# Altium PCB MB1397.PcbDoc (part 11 of 11)
Units mm, origin at the board's own origin, x right, y up, seen from the top; angles counter-clockwise.
Board outline 118.24 x 172.86 mm, 6 copper layers (Top Layer, L2_GND, L3_VCC, L4_SIG, L5_GND, Bottom Layer), stack 1.631 mm thick; 819 components, 632 nets, 2875 pads, 1523 vias.
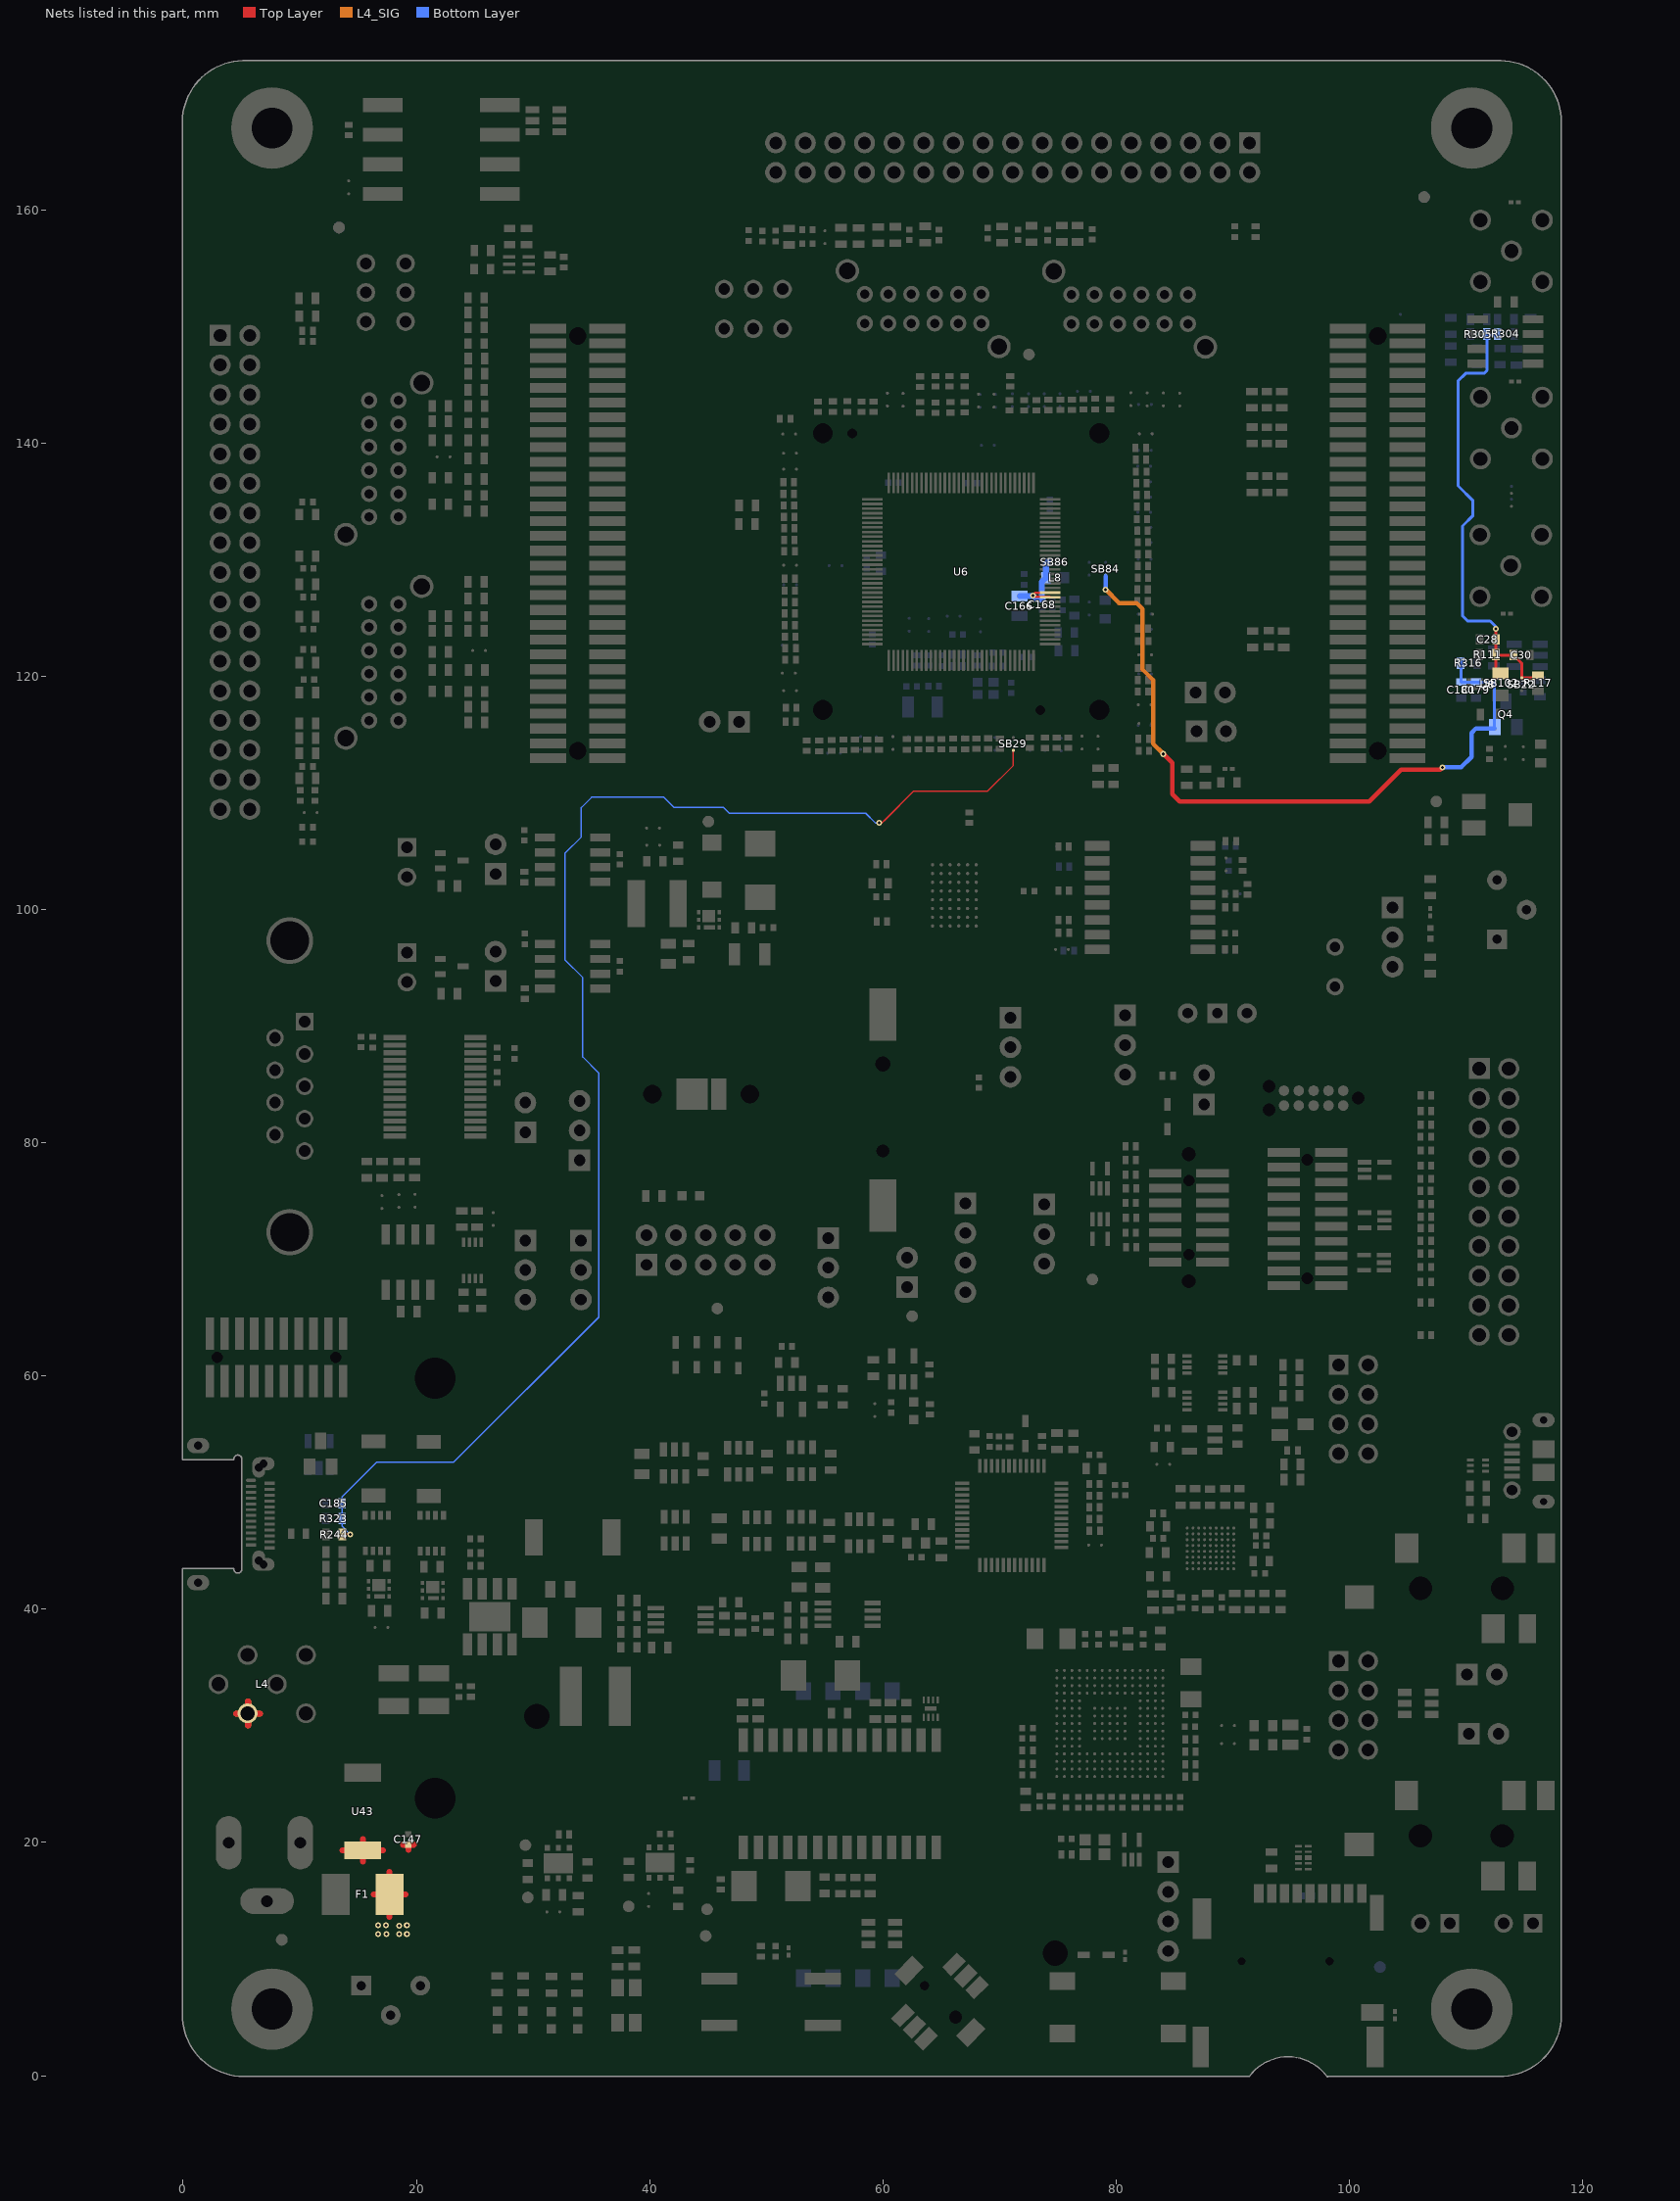
[diagram p15: the nets of this part, all layers, seen from the top]

## Via types
v1: diameter 0.508, hole 0.254, Top Layer to Bottom Layer, tented both sides, 1330 vias
v2: diameter 0.406, hole 0.203, Top Layer to Bottom Layer, tented both sides, 115 vias
v3: diameter 0.508, hole 0.254, Top Layer to Bottom Layer, 33 vias
v4: diameter 0.305, hole 0.152, Top Layer to Bottom Layer, tented both sides, 26 vias
v5: diameter 0.61, hole 0.305, Top Layer to Bottom Layer, tented both sides, 14 vias
v6: diameter 0.61, hole 0.33, Top Layer to Bottom Layer, tented both sides, 2 vias
v7: diameter 0.381, hole 0.203, Top Layer to Bottom Layer, tented both sides, 2 vias
v8: diameter 0.508, hole 0.203, Top Layer to Bottom Layer, tented both sides, 1 vias

## Nets (pads, with @x,y where several pads share a name; then routed paths per layer and width w, separated by ;. In a path a pad name is that pad's centre, name@x,y a point inside that pad or via, vN(x,y) a via of type N, cw(c..) or ccw(c..) an arc to the next point about the centre after c; other vN are vias at no path point) (continued)
VIN_EXT_UNFILT: C147.1 F1.2 L4.1 U43.1 | length 21.6
  Top Layer w0.508: 4.536,31.062 L4.1@5.565,31.062 ; 5.565,30.033 L4.1@5.565,31.062 ; 5.565,32.09 L4.1@5.565,31.062 ; 6.594,31.062 L4.1@5.565,31.062 ; 13.647,19.324 U43.1@15.397,19.324 ; 15.397,18.377 U43.1@15.397,19.324 ; 15.397,20.274 U43.1@15.397,19.324 ; 16.319,15.552 F1.2@17.697,15.554 ; 17.145,19.324 U43.1@15.397,19.324 ; 17.696,13.625 F1.2@17.697,15.554 ; 17.696,17.48 F1.2@17.697,15.554 ; 18.844,19.812 C147.1@19.304,19.813 ; 19.075,15.552 F1.2@17.697,15.554 ; 19.304,19.378 C147.1@19.304,19.813 ; 19.761,19.812 C147.1@19.304,19.813
  L4_SIG w0.508: 4.536,31.062 L4.1@5.565,31.062 ; 5.565,30.033 L4.1@5.565,31.062 ; 5.565,32.09 L4.1@5.565,31.062 ; 6.594,31.062 L4.1@5.565,31.062
  other v1: 16.711,12.164 17.422,12.164 18.539,12.164 19.174,12.164 18.539,12.875 16.711,12.901 17.396,12.901 19.174,12.901
VREF: C166.2 C168.2 L8.2 SB86.2 U6.43 U6.44 | length 7.9
  Top Layer w0.203: U6.44@73.609,127.165 73.073,127.165 72.87,126.962 v1(72.87,126.921) 72.969,126.822 74.266,126.822 U6.43@74.323,126.766
  Bottom Layer w0.508: C166.2@71.727,126.881 72.829,126.881 v1(72.87,126.921) 73.182,126.609 73.632,126.609 73.632,128.1 73.977,128.445 73.977,129.644 SB86.2@74.176,129.842
VREF_BIAS: C28.2 C30.2 R111.1 R117.2 R304.1 R305.1 SB22.1 U8.2 | length 41.7
  Top Layer w0.254: v1(112.558,124.076) R111.1@112.558,121.816 ; U8.2@112.959,120.251 U8.2@112.55,120.66 ; C30.2@114.071,121.808 C30.2@114.069,121.808 ; R117.2@116.176,120.107 115.926,119.855 SB22.1@114.77,119.857 114.77,121.107 C30.2@114.069,121.808 ; U8.2@112.55,120.66 R111.1@112.55,121.808 ; U8.2@112.55,120.66 112.547,120.66 112.547,121.808 112.549,121.809 R111.1@112.558,121.816 ; R111.1@112.55,121.808 R111.1@112.558,121.816 ; R111.1@112.55,121.808 C30.2@114.057,121.808 C30.2@114.069,121.808
  Bottom Layer w0.254: v1(112.558,124.076) 112.558,124.242 112.062,124.737 110.132,124.737 109.7,125.169 109.7,132.89 110.589,133.779 110.589,135.049 109.319,136.319 109.319,145.336 109.954,145.971 111.544,145.971 111.798,146.225 111.798,149.273 R304.1@112.682,149.273
VREF_EXT: C179.2 C180.2 Q4.2 R316.2 SB84.1 SB102.1 | length 62.2
  Top Layer w0.381: v1(84.046,113.332) 84.808,112.57 84.808,109.903 85.443,109.268 101.699,109.268 104.43,111.999 107.782,111.999 v1(107.973,112.189)
  L4_SIG w0.381: v1(79.096,127.429) 80.239,126.286 81.76,126.286 82.268,125.778 82.268,120.571 83.157,119.682 83.157,114.221 v1(84.046,113.332)
  Bottom Layer w0.254: R316.2@109.634,121.206 109.573,121.143 109.573,119.494 112.438,119.494 112.433,119.489 Q4.2@112.433,115.534
  Bottom Layer w0.381: SB84.1@79.093,128.58 79.096,128.58 v1(79.096,127.429) ; v1(107.973,112.189) 109.573,112.189 110.462,113.078 110.462,115.153 110.843,115.534 Q4.2@112.433,115.534
VSENSE: C185.2 R244.1 R323.2 SB29.1 | length 119.7
  Top Layer w0.127: R244.1@13.652,46.421 v1(14.323,46.421) ; v1(59.662,107.427) 59.911,107.427 60.198,107.713 62.641,110.157 68.984,110.157 71.178,112.352 SB29.1@71.179,113.652
  Bottom Layer w0.127: v1(14.323,46.421) 13.625,47.12 13.625,49.642 16.609,52.626 23.213,52.626 35.634,65.047 35.634,85.976 34.262,87.348 34.262,94.155 32.738,95.679 32.738,104.823 34.138,106.223 34.138,108.737 35.024,109.624 41.222,109.624 42.108,108.737 46.35,108.737 46.835,108.252 58.519,108.252 59.345,107.427 v1(59.662,107.427)
pads on no net: B1.NPTH1 B1.NPTH2 CN1.2 CN1.6 CN5.NPTH1 CN5.NPTH2 CN6.NPTH1 CN6.NPTH2 CN11.1 CN11.7 CN13.NPTH1 CN13.NPTH2 CN15.7 CN15.11 CN15.12 CN15.13 CN16.0 CN16.1 CN16.2 CN16.9 CN17.0 CN17.7 CN19.0 CN20.4 CN20.5 CN20.6 CN21.4 CN22.PTH1 CN22.PTH2 CN22.PTH3 CN22.PTH4 CN22.PTH5 CN22.PTH6 CN23.2 CN23.5 CN23.7 CN23.MT1 CN23.MT2 CN26.2 CN26.5 CN26.7 CN26.MT1 CN26.MT2 CN28.1 CN28.8 CN28.NPTH1 CN28.NPTH2 CN31.C6 CN31.NPTH1 CN31.NPTH2 H3.1 H4.1 LPB1.NPTH1 LPB1.NPTH2 SW2.10 SW2.11 SW2.12 SW2.PTH1 SW2.PTH2 SW3.10 SW3.11 SW3.12 SW3.PTH1 SW3.PTH2 SW5.10 SW5.11 SW5.12 SW5.PTH1 SW5.PTH2 SW6.10 SW6.11 SW6.12 SW6.PTH1 SW6.PTH2 U1.5 U6.NPTH1 U6.NPTH2 U6.NPTH3 U6.NPTH4 U6.NPTH5 U6.NPTH6 U11.E3 U12.3 U12.11 U17.4 U17.8 U17.9 U17.11 U17.12 U17.14 U17.15 U17.18 U17.19 U17.21 U20.5 U26.6 U31.4 U32.10 U32.12 U32.13 U32.27 U32.38 U35.A6 U35.A8 U35.A9 U35.B4 U35.B5 U35.B8 U35.B9 U35.C4 U35.C5 U35.C6 U35.C7 U35.C8 U35.E1 U35.E5 U35.F4 U35.F5 U35.F6 U35.F8 U35.F9 U35.G4 U35.H2 U35.H3 U35.H4 U35.H5 U37.5 U40.A1 U40.A2 U40.A3 U40.A4 U40.A5 U40.A6 U40.A8 U40.A9 U40.A10 U40.A11 U40.A12 U40.A13 U40.B1 U40.B2 U40.B3 U40.B4 U40.B5 U40.B6 U40.B7 U40.B8 U40.B9 U40.B10 U40.B11 U40.B12 U40.B13 U40.B14 U40.B15 U40.C2 U40.C3 U40.C4 U40.C11 U40.C12 U40.C13 U40.C14 U40.C15 U40.D1 U40.D2 U40.D3 U40.D4 U40.D10 U40.D11 U40.D13 U40.D14 U40.E1 U40.E2 U40.E3 U40.E4 U40.E12 U40.E13 U40.E14 U40.E15 U40.F1 U40.F4 U40.F14 U40.G4 U40.G14 U40.G15 U40.H1 U40.H2 U40.H3 U40.H4 U40.H14 U40.H15 U40.J2 U40.J3 U40.J4 U40.K1 U40.K2 U40.K3 U40.K12 U40.K14 U40.K15 U40.L1 U40.L3 U40.L12 U40.L13 U40.L14 U40.L15 U40.M2 U40.M3 U40.M4 U40.M5 U40.M6 U40.M7 U40.M12 U40.M13 U40.M14 U40.M15 U40.N2 U40.N4 U40.N5 U40.N6 U40.N7 U40.N11 U40.N13 U40.N14 U40.N15 U40.P2 U40.P4 U40.P5 U40.P6 U40.P7 U40.P8 U40.P9 U40.P10 U40.P11 U40.P12 U40.P13 U40.P14 U40.P15 U40.R2 U40.R3 U40.R6 U40.R7 U40.R8 U40.R9 U40.R10 U40.R11 U40.R12 U40.R13 U42.10 U42.25 U45.4 U45.5 U47.3 U53.1 U53.2 U54.3 U54.4 U54.5 U54.6 U54.11 U54.12 U54.13 U54.14 U55.5 X2.2 X2.4
copper on no net:
  other v1: 9.751,51.864 9.243,53.896

## Polygon pours and split planes (outlines as drawn)
GND on Top Layer "L4_SIG-No Net" (solid, pour order 261): 25 vertices, not listed, extent 23.467,36.703 32.004,49.2
GND_EXT_UNFILT on Top Layer "TOP-GND_EXT_UNFILT" (solid, pour order 215): 17 vertices, not listed, extent 8.862,20.368 19.756,32.433
NetLD5_2 on Top Layer "L4_SIG-No Net" (solid, pour order 256): 38.875,89.637 38.215,88.976 38.215,79.591 39.04,78.765 44.348,78.765 44.968,79.385 44.968,89.118 44.45,89.637
AGND on Top Layer "L4_SIG-No Net" (solid, pour order 264): 79.395,111.115 81.923,111.115 82.166,110.871 82.166,109.774 81.945,109.553 79.582,109.553 79.231,109.904 79.231,110.92 79.334,111.023
5V_USB_CHGR on Top Layer "TOP-5V_USB_CHGR" (solid, pour order 226): 26 vertices, not listed, extent 46.835,60.627 61.44,65.453
NetC63_2 on Top Layer "TOP-NETC77_1" (solid, pour order 232): 17 vertices, not listed, extent 41.374,58.989 51.534,63.421
5V_USB_PD on Top Layer "TOP-5V_USB_PD" (solid, pour order 219): 32.865,64.437 42.771,64.437 43.025,64.183 43.025,62.278 42.771,62.024 33.119,62.024 23.868,52.774 14.709,52.774 14.315,53.167 14.315,55.166 14.732,55.583 24.011,55.583 32.865,64.437
GND on Top Layer "TOP-GND 1" (solid, pour order 212): 52.036,59.492 51.915,59.613 51.915,60.582 51.915,61.727 51.915,62.128 51.915,62.944 51.915,63.167 52.169,63.421 53.312,63.421 53.566,63.167 53.566,60.819
NetC71_2 on Top Layer "Top Layer-NetC71_2" (solid, pour order 208): 21 vertices, not listed, extent 49,56.055 51.599,57.905
3V3_STLK on Top Layer "TOP-3V3_STLK" (solid, pour order 224): 17 vertices, not listed, extent 52.296,55.928 57.757,57.96
5V on Top Layer "TOP-5V 2" (solid, pour order 230): 618 vertices, not listed, extent 37.818,71.041 51.534,76.883
5V on Top Layer "TOP-5V 1" (solid, pour order 229): 53 vertices, not listed, extent 41.563,15.542 44.676,17.955
SH1_D on Top Layer "TOP-SH1_D" (solid, pour order 202): 25 vertices, not listed, extent 44.93,47.292 47.978,55.166
NetC151_2 on Top Layer "TOP-NETC34_2" (solid, pour order 209): 95 vertices, not listed, extent 27.912,13.129 31.468,17.32
NetC149_2 on Top Layer "TOP-NETC29_2" (solid, pour order 210): 156 vertices, not listed, extent 37.183,15.542 41.247,17.32
AMP_VDD on Top Layer "TOP-AMP_VDD" (solid, pour order 217): 30 vertices, not listed, extent 39.723,39.926 46.708,49.07
AMP_5V on Top Layer "TOP-AMP_5V" (solid, pour order 218): 18 vertices, not listed, extent 56.106,44.066 58.392,48.892
VIN_EXT_UNFILT on Top Layer "TOP-VIN_EXT_UNFILT" (solid, pour order 220): 28 vertices, not listed, extent 2.639,11.834 20.292,32.56
VIN_EXT_CONN on Top Layer "TOP-VIN_EXT_CONN" (solid, pour order 221): 17 vertices, not listed, extent 7.719,11.478 14.958,23.035
1V8_LDO on Top Layer "TOP-1V8_LDO" (solid, pour order 222): 89 vertices, not listed, extent 84.3,51.737 87.221,54.912
1V8 on Top Layer "TOP-1V8" (solid, pour order 223): 64 vertices, not listed, extent 82.141,50.34 83.919,53.134
5V_USB_CHGR on Top Layer "TOP-5V_USB_CHGR 1" (solid, pour order 227): 22 vertices, not listed, extent 111.224,46.784 112.875,51.483
VIN_EXT on Top Layer "TOP-VIN_EXT" (solid, pour order 235): 35 vertices, not listed, extent 4.036,33.195 26.132,39.164
GND on Top Layer "TOP-GND" (solid, pour order 211): 21 vertices, not listed, extent 47.662,94.104 51.661,102.791
3V3 on Top Layer "TOP-3V3" (solid, pour order 225): 77 vertices, not listed, extent 36.802,12.748 41.374,15.669
5V on Top Layer "TOP-5V" (solid, pour order 228): 48 vertices, not listed, extent 1.115,97.965 36.548,103.045
GND on Top Layer "TOP-GND 3" (solid, pour order 214): 15.847,29.258 15.466,29.639 15.466,32.052 15.847,32.433 16.655,32.433 19.51,32.433 20.511,32.433 22.939,32.433 23.32,32.814 24.077,32.814 24.892,32.814 25.654,32.814 25.654,30.81 24.102,29.258
GND on Top Layer "TOP-GND 2" (solid, pour order 213): 19 vertices, not listed, extent 16.863,39.291 19.022,41.247
SH0_D on Top Layer "TOP-SH0_D" (solid, pour order 203): 21 vertices, not listed, extent 38.326,50.086 42.517,54.912
T50_6 on Top Layer "TOP-T50_6" (solid, pour order 200): 49 vertices, not listed, extent 44.93,40.307 56.106,49.197
SH2_D on Top Layer "TOP-SH2_D" (solid, pour order 201): 22 vertices, not listed, extent 51.026,43.228 53.947,49.197
NetL5_1 on Top Layer "L4_SIG-No Net" (solid, pour order 260): 17 vertices, not listed, extent 26.67,29.134 34.722,35.692
CAL_D on Top Layer "TOP-CAL_D" (solid, pour order 216): 65 vertices, not listed, extent 48.232,46.657 54.709,55.547
NetR249_1 on Top Layer "TOP-NETR324_1" (solid, pour order 204): 23 vertices, not listed, extent 19.784,41.406 22.959,44.123
NetR246_1 on Top Layer "TOP-NETR318_1" (solid, remove dead copper, pour order 205): 23 vertices, not listed, extent 13.307,39.799 17.922,45.514
NetC41_1 on Top Layer "TOP-NETC22_2" (solid, pour order 231): 40.993,103.172 40.739,103.426 40.739,103.576 41.59,103.576 41.59,104.696 43.406,104.696 43.787,105.077 43.787,107.744 44.676,108.633 51.153,108.633 51.415,108.372 51.415,104.235 51.114,103.934 44.422,103.934 43.66,103.172
NetD1_1 on Top Layer "Top Layer-NetD1_1" (solid, pour order 233): 41.501,97.965 41.247,98.219 41.247,102.791 43.818,102.791 43.945,102.918 46.454,102.918 46.611,102.762 46.611,99.519 46.611,99.265 46.2,98.854 43.914,98.854 43.66,98.6 43.66,98.219 43.406,97.965
NetR172_1 on Top Layer "TOP-NETR48_1" (solid, pour order 234): 30 vertices, not listed, extent 44.676,94.513 48.232,99.362
VBUS on Top Layer "TOP-VBUS" (solid, remove dead copper, pour order 199): 32 vertices, not listed, extent 10.97,39.418 18.26,50.975
NetQ2_1 on Top Layer "TOP-NETQ2_1 1" (solid, pour order 207): 14.958,43.101 14.755,43.304 14.755,45.184 14.958,45.387 17.117,45.387 17.117,44.625 16.961,44.469 15.591,44.457 15.591,43.101
NetQ2_1 on Top Layer "TOP-NETQ2_1" (solid, pour order 206): 18.982,44.069 18.885,44.166 18.885,45.263 19.012,45.39 21.806,45.39 21.806,44.628 21.679,44.501 21.328,44.501 19.743,44.501 19.312,44.069
5V_EXT on Top Layer "L4_SIG-No Net" (solid, pour order 262): 40 vertices, not listed, extent 19.276,29.261 39.219,54.509
NetLD5_2 on Bottom Layer "Bottom Layer-NetLD5_2" (solid, pour order 257): 38.875,89.637 44.45,89.637 44.968,89.118 44.968,79.385 44.348,78.765 39.04,78.765 38.215,79.591 38.215,88.964 38.532,89.281
VDD on Bottom Layer "BOTTOM-VDD" (solid, pour order 236): 149 vertices, not listed, extent 83.03,60.754 106.906,64.564
VDD1 on Bottom Layer "BOTTOM-VDD1" (solid, pour order 237): 136 vertices, not listed, extent 62.329,42.466 74.775,53.642
NetQ2_1 on Bottom Layer "BOTTOM-NETQ2_1" (solid, pour order 238): 19.657,45.26 19.657,44.244 19.53,44.117 16.482,44.117 16.101,43.736 16.101,43.228 15.974,43.101 14.958,43.101 14.755,43.304 14.755,45.184 14.958,45.387 19.53,45.387 19.657,45.26
GND_EXT_UNFILT on Bottom Layer "BOTTOM-GND_EXT_UNFILT" (solid, pour order 239): 26 vertices, not listed, extent 0.734,13.002 17.879,32.433
AGND on L4_SIG "L4_SIG-No Net" (solid, pour order 265): 21 vertices, not listed, extent 76.022,109.964 82.549,123.977
VDD1 on L4_SIG "L4_SIG-VDD1" (solid, pour order 240): 185 vertices, not listed, extent 51.407,41.323 66.012,67.739
3V3 on L4_SIG "L4_SIG-3V3" (solid, pour order 243): 442 vertices, not listed, extent 36.675,8.303 97.254,17.447
5V_EXT on L4_SIG "L4_SIG-No Net" (solid, pour order 263): 30.071,52.603 33.779,52.603 48.74,67.564 48.74,70.423 48.28,70.884 46.419,70.884 46.025,70.49 46.025,68.044 32.593,54.612 29.545,54.612 29.21,54.277 29.21,52.924 29.531,52.603 29.591,52.59
VIN_EXT_CONN on L4_SIG "L4_SIG-VIN_EXT_CONN" (solid, pour order 242): 14.78,11.478 10.792,11.478 10.361,11.91 10.361,15.847 7.719,18.489 7.719,22.019 8.735,23.035 10.386,23.035 12.545,20.876 12.545,18.336 13.18,17.701 14.704,17.701 14.958,17.447 14.958,11.656 14.78,11.478
VIN_EXT_UNFILT on L4_SIG "L4_SIG-VIN_EXT_UNFILT" (solid, pour order 241): 23 vertices, not listed, extent 2.639,11.834 20.292,32.56
VIN_EXT on L4_SIG "L4_SIG-VIN_EXT" (solid, pour order 244): 32 vertices, not listed, extent 4.036,33.195 23.391,39.164
1V8 on L4_SIG "L4_SIG-No Net" (solid, pour order 255): 19 vertices, not listed, extent 82.296,40.856 93.525,53.008
5V on L3_VCC "L3_VCC-5V 1" (solid, remove dead copper, pour order 253): 72 vertices, not listed, extent 0.445,100.633 117.666,172.274
VBUS on L3_VCC "L3_VCC-VBUS" (solid, remove dead copper, pour order 248): 0.445,39.419 0.445,65.913 11.227,65.913 13.435,63.705 13.435,40.031 12.822,39.419
5V on L3_VCC "L3_VCC-5V" (solid, remove dead copper, pour order 252): 42 vertices, not listed, extent 33.501,8.431 92.429,114.095
VDD on L3_VCC "L3_VCC-VDD" (solid, remove dead copper, pour order 246): 58 vertices, not listed, extent 42.645,27.735 94.207,78.535
3V3_STLK on L3_VCC "L3_VCC-3V3_STLK" (solid, pour order 249): 22 vertices, not listed, extent 54.583,17.018 86.587,61.009
3V3 on L3_VCC "L3_VCC-3V3" (solid, pour order 250): 48 vertices, not listed, extent 72.871,11.733 103.859,86.663
3V3 on L3_VCC "L3_VCC-3V3" (solid, remove dead copper, pour order 251): 53 vertices, not listed, extent 0.445,0.446 111.479,164.387
VDD on L3_VCC "L3_VCC-VDD" (solid, pour order 245): 117 vertices, not listed, extent 20.801,0.446 117.666,157.275
VDD_MCU on L3_VCC "L3_VCC-VDD_MCU" (solid, remove dead copper, pour order 247): 25 vertices, not listed, extent 52.297,67.867 86.587,138.162
AGND on L2_GND "L2_GND-AGND" (solid, pour order 259): 37 vertices, not listed, extent 76.68,107.076 117.665,161.107
GND_EXT_UNFILT on L2_GND "L2_GND-GND" (solid, remove dead copper, pour order 267): 25 vertices, not listed, extent 0.445,12.967 17.819,32.346
GND on L2_GND "L2_GND-GND" (solid, remove dead copper, pour order 266): 132 vertices, not listed, extent 0.445,0.445 117.666,172.273
GND_EXT_UNFILT on L5_GND "L5_GND-GND" (solid, remove dead copper, pour order 268): 23 vertices, not listed, extent 0.444,13.005 17.836,32.346
AGND on L5_GND "L5_GND-AGND" (solid, pour order 254): 108.92,114.475 108.92,135.237 108.097,136.06 108.097,158.852 110.353,161.107 117.665,161.107 117.665,113.713 109.682,113.713 108.92,114.475
GND on L5_GND "L5_GND-GND" (solid, remove dead copper, pour order 269): 99 vertices, not listed, extent 0.452,0.42 117.673,172.249
no net on Top Solder "L4_SIG-No Net" (solid): 38.875,89.637 44.45,89.637 44.968,89.118 44.968,79.385 44.348,78.765 39.04,78.765 38.215,79.591 38.215,88.976
no net on Bottom Solder "L4_SIG-No Net" (solid): 38.875,89.637 44.45,89.637 44.968,89.118 44.968,79.385 44.348,78.765 39.04,78.765 38.215,79.591 38.215,88.976
no net on Top Overlay (solid): 103.025,168.605 ccw(c102.567,168.605) 102.567,169.063 ccw(c102.567,168.605) 102.109,168.605 ccw(c102.567,168.605) 102.567,168.147 ccw(c102.567,168.605) 103.025,168.605
no net on Top Overlay (solid): 102.707,164.287 ccw(c102.059,164.287) 102.059,164.935 ccw(c102.059,164.287) 101.411,164.287 ccw(c102.059,164.287) 102.059,163.64 ccw(c102.059,164.287) 102.707,164.287
no net on Top Overlay (solid): 99.392,168.605 99.392,169.24 99.646,169.24 99.646,168.605 99.392,168.605
no net on Top Overlay (solid): 100.154,167.208 100.154,166.7 101.678,166.7 101.678,167.208 100.154,167.208
no net on Top Overlay (solid): 99.519,163.716 99.773,163.716 99.773,164.16 99.519,164.16 99.519,163.716
no net on Top Overlay (solid): 103.025,168.605 ccw(c102.567,168.605) 102.567,169.063 ccw(c102.567,168.605) 102.109,168.605 ccw(c102.567,168.605) 102.567,168.147 ccw(c102.567,168.605) 103.025,168.605
no net on Top Overlay (solid): 102.707,164.287 ccw(c102.059,164.287) 102.059,164.935 ccw(c102.059,164.287) 101.411,164.287 ccw(c102.059,164.287) 102.059,163.64 ccw(c102.059,164.287) 102.707,164.287
no net on Top Overlay (solid): 99.392,168.605 99.392,169.24 99.646,169.24 99.646,168.605 99.392,168.605
no net on Top Overlay (solid): 100.154,167.208 100.154,166.7 101.678,166.7 101.678,167.208 100.154,167.208
no net on Top Overlay (solid): 99.519,163.716 99.773,163.716 99.773,164.16 99.519,164.16 99.519,163.716
no net on Top Overlay (solid): 457 vertices, not listed, extent 69.214,77.689 75.841,83.176
no net on Top Overlay (solid): 227 vertices, not listed, extent 72.022,78.87 74.874,81.995
no net on Top Overlay (solid): 457 vertices, not listed, extent 69.214,77.689 75.841,83.176
no net on Top Overlay (solid): 227 vertices, not listed, extent 72.022,78.87 74.874,81.995


## Text inside footprints (layer, text, board x,y; h text height)
T3: Top Overlay "1" at 45.935,50.755 h1.5; M14-Top Assembly "4" at 48.405,53.615 h0.75; M14-Top Assembly "5" at 47.475,53.63 h0.75; M14-Top Assembly "6" at 46.525,53.63 h0.75; M14-Top Assembly "1" at 46.575,51.28 h0.75; M14-Top Assembly "3" at 48.405,51.275 h0.75; M14-Top Assembly "2" at 47.475,51.28 h0.75
T4: Top Overlay "1" at 40.436,50.589 h1.5; M14-Top Assembly "4" at 42.906,53.449 h0.75; M14-Top Assembly "5" at 41.976,53.464 h0.75; M14-Top Assembly "6" at 41.026,53.464 h0.75; M14-Top Assembly "1" at 41.076,51.114 h0.75; M14-Top Assembly "3" at 42.906,51.109 h0.75; M14-Top Assembly "2" at 41.976,51.114 h0.75
T5: Top Overlay "1" at 40.494,44.83 h1.5; M14-Top Assembly "4" at 42.964,47.69 h0.75; M14-Top Assembly "5" at 42.034,47.705 h0.75; M14-Top Assembly "6" at 41.084,47.705 h0.75; M14-Top Assembly "1" at 41.134,45.355 h0.75; M14-Top Assembly "3" at 42.964,45.35 h0.75; M14-Top Assembly "2" at 42.034,45.355 h0.75
T6: Top Overlay "1" at 51.317,44.827 h1.5; M14-Top Assembly "4" at 53.787,47.687 h0.75; M14-Top Assembly "5" at 52.857,47.702 h0.75; M14-Top Assembly "6" at 51.907,47.702 h0.75; M14-Top Assembly "1" at 51.957,45.352 h0.75; M14-Top Assembly "3" at 53.787,45.347 h0.75; M14-Top Assembly "2" at 52.857,45.352 h0.75
T7: Top Overlay "1" at 47.51,44.785 h1.5; M14-Top Assembly "4" at 49.98,47.645 h0.75; M14-Top Assembly "5" at 49.05,47.66 h0.75; M14-Top Assembly "6" at 48.1,47.66 h0.75; M14-Top Assembly "1" at 48.15,45.31 h0.75; M14-Top Assembly "3" at 49.98,45.305 h0.75; M14-Top Assembly "2" at 49.05,45.31 h0.75
T8: Top Overlay "1" at 56.311,44.609 h1.5; M14-Top Assembly "4" at 58.781,47.469 h0.75; M14-Top Assembly "5" at 57.851,47.484 h0.75; M14-Top Assembly "6" at 56.901,47.484 h0.75; M14-Top Assembly "1" at 56.951,45.134 h0.75; M14-Top Assembly "3" at 58.781,45.129 h0.75; M14-Top Assembly "2" at 57.851,45.134 h0.75
T9: M14-Top Assembly "1" at 15.764,42.458 h0.4 r270; M14-Top Assembly "2" at 15.764,41.833 h0.4 r270; M14-Top Assembly "3" at 15.764,41.183 h0.4 r270; M14-Top Assembly "7" at 16.714,41.183 h0.4 r270; M14-Top Assembly "4" at 17.564,41.208 h0.4 r270; M14-Top Assembly "5" at 17.564,41.858 h0.4 r270; M14-Top Assembly "6" at 17.564,42.508 h0.4 r270; M14-Top Assembly "8" at 16.639,42.133 h0.4 r270
T10: M14-Top Assembly "1" at 20.383,42.313 h0.4 r270; M14-Top Assembly "2" at 20.383,41.688 h0.4 r270; M14-Top Assembly "3" at 20.383,41.038 h0.4 r270; M14-Top Assembly "7" at 21.333,41.038 h0.4 r270; M14-Top Assembly "4" at 22.183,41.063 h0.4 r270; M14-Top Assembly "5" at 22.183,41.713 h0.4 r270; M14-Top Assembly "6" at 22.183,42.363 h0.4 r270; M14-Top Assembly "8" at 21.258,41.988 h0.4 r270
U1: Top Overlay "1" at 33.047,165.872 h1.5 r90; M14-Top Assembly "2" at 32.522,167.477 h0.75 r90; M14-Top Assembly "3" at 32.527,168.407 h0.75 r90; M14-Top Assembly "1" at 32.522,166.577 h0.75 r90; M14-Top Assembly "6" at 30.172,166.527 h0.75 r90; M14-Top Assembly "5" at 30.172,167.477 h0.75 r90; M14-Top Assembly "4" at 30.187,168.407 h0.75 r90
U2: M14-Top Assembly "K" at 113.598,160.505 h0.45
U3: M14-Top Assembly "6" at 29.307,156.096 h0.6 r270; M14-Top Assembly "5" at 29.307,155.446 h0.6 r270; M14-Top Assembly "4" at 29.307,154.796 h0.6 r270; M14-Top Assembly "3" at 27.882,154.796 h0.6 r270; M14-Top Assembly "2" at 27.882,155.446 h0.6 r270; M14-Top Assembly "1" at 27.882,156.046 h0.6 r270
U4: Top Overlay "1" at 116.713,146.177 h0.64; M14-Top Assembly "1" at 116.435,146.602 h1.5 r90; M14-Top Assembly "4" at 116.46,150.277 h1.5 r90; M14-Top Assembly "5" at 111.26,150.302 h1.5 r90; M14-Top Assembly "8" at 111.235,146.477 h1.5 r90
U5: M14-Top Assembly "K" at 113.62,145.138 h0.45
U6: Top Overlay "1" at 60.09,120.523 h0.64; Top Overlay "1" at 59.639,115.265 h0.64; M14-Top Assembly "1" at 60.828,121.466 h1 r90; M14-Top Assembly "128" at 59.428,122.091 h1 r90; M14-Top Assembly "32" at 73.228,120.816 h1 r90; M14-Top Assembly "33" at 74.603,122.291 h1 r90; M14-Top Assembly "64" at 74.603,134.716 h1 r90; M14-Top Assembly "65" at 73.228,136.216 h1 r90; M14-Top Assembly "96" at 60.828,136.216 h1 r90; M14-Top Assembly "97" at 59.453,134.716 h1 r90
U7: M14-Top Assembly "K" at 114.078,125.499 h0.45 r180
U9: M14-Top Assembly "K" at 89.059,111.892 h0.45
U10: Top Overlay "1" at 36.449,101.239 h1.5 r90; M14-Top Assembly "1" at 36.461,102.166 h1.5 r90; M14-Top Assembly "4" at 36.486,105.841 h1.5 r90; M14-Top Assembly "5" at 31.286,105.866 h1.5 r90; M14-Top Assembly "8" at 31.261,102.041 h1.5 r90
U11: Top Overlay "A1" at 68.298,97.663 h0.64; M14-Top Assembly "A1" at 68.249,98.735 h0.5 r180
U12: Top Overlay "1" at 88.254,95.664 h1.5 r90; M14-Top Assembly "1" at 88.229,96.364 h1.5 r90; M14-Top Assembly "8" at 88.204,105.139 h1.5 r90; M14-Top Assembly "9" at 78.554,105.139 h1.5 r90; M14-Top Assembly "16" at 78.554,95.939 h1.5 r90
U13: Top Overlay "1" at 22.108,105.343 h0.64 r90; M14-Top Assembly "3" at 23.724,104.335 h0.75 r270; M14-Top Assembly "2" at 21.849,103.685 h0.75 r270; M14-Top Assembly "1" at 21.849,104.935 h0.75 r270
U14: M14-Top Assembly "K" at 107.084,99.197 h0.45 r90
U15: Top Overlay "1" at 36.536,92.399 h1.5 r90; M14-Top Assembly "1" at 36.461,93.024 h1.5 r90; M14-Top Assembly "4" at 36.486,96.699 h1.5 r90; M14-Top Assembly "5" at 31.286,96.724 h1.5 r90; M14-Top Assembly "8" at 31.261,92.899 h1.5 r90
U16: Top Overlay "1" at 21.473,96.424 h1.2 r270; M14-Top Assembly "3" at 23.723,95.274 h0.75 r270; M14-Top Assembly "2" at 21.848,94.624 h0.75 r270; M14-Top Assembly "1" at 21.848,95.874 h0.75 r270
U17: Top Overlay "1" at 17.54,89.788 h1.5 r270; M14-Top Assembly "1" at 17.952,89.15 h1 r270; M14-Top Assembly "14" at 17.84,80.963 h1 r270; M14-Top Assembly "15" at 24.577,81.025 h1 r270; M14-Top Assembly "28" at 24.577,89.476 h1 r270
U22: Top Overlay "1" at 16.547,66.616 h1.5; M14-Top Assembly "1" at 17.172,66.691 h1.5; M14-Top Assembly "4" at 20.847,66.666 h1.5; M14-Top Assembly "5" at 20.872,71.866 h1.5; M14-Top Assembly "8" at 17.047,71.891 h1.5
U23: Top Overlay "1" at 26.113,71.247 h0.64; M14-Top Assembly "5" at 24.201,68.622 h0.75 r180; M14-Top Assembly "8" at 25.701,68.622 h0.75 r180; M14-Top Assembly "4" at 24.226,71.722 h0.75 r180; M14-Top Assembly "1" at 25.676,71.722 h0.75 r180
U25: Top Overlay "1" at 59.978,58.581 h1.5
U26: Top Overlay "1" at 85.451,62.31 h1.3 r270; M14-Top Assembly "5" at 88.901,60.385 h0.75 r270; M14-Top Assembly "8" at 88.901,61.885 h0.75 r270; M14-Top Assembly "4" at 85.801,60.41 h0.75 r270; M14-Top Assembly "1" at 85.801,61.86 h0.75 r270
U27: Top Overlay "1" at 53.879,60.302 h1.5 r180
U28: Top Overlay "1" at 85.452,59.191 h1.3 r270; M14-Top Assembly "5" at 88.902,57.266 h0.75 r270; M14-Top Assembly "8" at 88.902,58.766 h0.75 r270; M14-Top Assembly "4" at 85.802,57.291 h0.75 r270; M14-Top Assembly "1" at 85.802,58.741 h0.75 r270
U29: Top Overlay "1" at 89.357,53.391 h0.89
U31: Top Overlay "1" at 109.904,53.616 h1.3 r270; M14-Top Assembly "1" at 110.254,52.891 h0.5 r270; M14-Top Assembly "2" at 110.254,52.416 h0.5 r270; M14-Top Assembly "3" at 110.254,51.916 h0.5 r270; M14-Top Assembly "4" at 111.437,51.926 h0.5 r270; M14-Top Assembly "5" at 111.429,52.416 h0.5 r270; M14-Top Assembly "6" at 111.429,52.916 h0.5 r270
U32: Top Overlay "1" at 74.457,52.792 h1.5 r180; M14-Top Assembly "1" at 74.382,52.692 h1.5 r180
U33: Top Overlay "K" at 37.826,43.837 h0.64 r180; Top Overlay "K" at 37.826,49.337 h0.64 r180; M14-Top Assembly "K" at 37.426,49.162 h1.5 r180; M14-Top Assembly "K" at 37.426,44.112 h1.5 r180
U34: M14-Top Assembly "2" at 110.702,48.278 h0.75 r180; M14-Top Assembly "1" at 111.852,48.253 h0.75 r180
U36: M14-Top Assembly "K" at 9.106,46.157 h1
U37: M14-Top Assembly "9" at 26.064,39.486 h0.75 r270; M14-Top Assembly "8" at 27.964,36.986 h0.75 r270; M14-Top Assembly "5" at 24.139,36.986 h0.75 r270; M14-Top Assembly "4" at 24.139,42.086 h0.75 r270; M14-Top Assembly "1" at 27.939,41.911 h0.75 r270
U38: Top Overlay "1" at 58.648,38.265 h1.5 r270; M14-Top Assembly "1" at 58.623,38.69 h1 r270; M14-Top Assembly "4" at 58.623,40.74 h1 r270; M14-Top Assembly "5" at 54.673,40.765 h1 r270; M14-Top Assembly "8" at 54.673,38.79 h1 r270
U39: Top Overlay "1" at 40.98,40.415 h1.5 r90; M14-Top Assembly "1" at 41.005,39.99 h1 r90; M14-Top Assembly "4" at 41.005,37.94 h1 r90; M14-Top Assembly "5" at 44.955,37.915 h1 r90; M14-Top Assembly "8" at 44.955,39.89 h1 r90
U40: M14-Top Assembly "A1" at 75.055,25.303 h0.75 r90
U41: Top Overlay "1" at 104.267,33.576 h0.64 r270; M14-Top Assembly "2" at 104.465,32.075 h0.75 r270; M14-Top Assembly "3" at 104.46,31.145 h0.75 r270; M14-Top Assembly "1" at 104.465,32.975 h0.75 r270; M14-Top Assembly "6" at 106.815,33.025 h0.75 r270; M14-Top Assembly "5" at 106.815,32.075 h0.75 r270; M14-Top Assembly "4" at 106.8,31.145 h0.75 r270
U42: Top Overlay "1" at 47.123,19.05 h1.5; M14-Top Assembly "1" at 47.823,19.25 h1.5; M14-Top Assembly "14" at 63.973,19.25 h1.5; M14-Top Assembly "15" at 64.023,28.26 h1.5; M14-Top Assembly "28" at 47.423,28.36 h1.5
U43: Top Overlay "K" at 13.072,18.224 h0.64 r90; Top Overlay "K" at 18.572,18.224 h0.64 r90; M14-Top Assembly "K" at 18.397,18.624 h1.5 r90; M14-Top Assembly "K" at 13.347,18.624 h1.5 r90
U44: M14-Top Assembly "K" at 42.78,23.65 h0.45
U47: Top Overlay "1" at 42.642,18.959 h0.64
U48: Top Overlay "1" at 33.909,18.923 h0.64
U49: Top Overlay "1" at 61.849,10.437 h1.5 r90; M14-Top Assembly "2" at 61.324,12.042 h0.75 r90; M14-Top Assembly "3" at 61.329,12.972 h0.75 r90; M14-Top Assembly "1" at 61.324,11.142 h0.75 r90; M14-Top Assembly "6" at 58.974,11.092 h0.75 r90; M14-Top Assembly "5" at 58.974,12.042 h0.75 r90; M14-Top Assembly "4" at 58.989,12.972 h0.75 r90
U50: M14-Top Assembly "K" at 52.064,10.093 h0.45 r90
U51: M14-Top Assembly "K" at 80.917,9.695 h0.45 r90
U52: M14-Top Assembly "K" at 104.036,4.632 h0.45 r90
U54: Bottom Overlay "1" at 88.254,106.364 h1.5 r90; M15-Bottom Assembly "1" at 88.229,105.664 h1.5 r90; M15-Bottom Assembly "8" at 88.204,96.889 h1.5 r90; M15-Bottom Assembly "9" at 78.554,96.889 h1.5 r90; M15-Bottom Assembly "16" at 78.554,106.089 h1.5 r90
U55: Bottom Overlay "1" at 9.901,55.211 h1.5 r180; M15-Bottom Assembly "2" at 11.506,54.686 h0.75 r180; M15-Bottom Assembly "3" at 12.436,54.691 h0.75 r180; M15-Bottom Assembly "1" at 10.606,54.686 h0.75 r180; M15-Bottom Assembly "6" at 10.556,52.336 h0.75 r180; M15-Bottom Assembly "5" at 11.506,52.336 h0.75 r180; M15-Bottom Assembly "4" at 12.436,52.351 h0.75 r180
X1: M14-Top Assembly "1" at 77.288,18.856 h0.6; M14-Top Assembly "2" at 78.838,18.856 h0.6; M14-Top Assembly "3" at 78.838,19.981 h0.6; M14-Top Assembly "4" at 77.238,19.981 h0.6
X2: M15-Bottom Assembly "1" at 69.534,118.324 h0.5; M15-Bottom Assembly "2" at 68.284,118.324 h0.5; M15-Bottom Assembly "3" at 68.284,119.299 h0.5; M15-Bottom Assembly "4" at 69.559,119.299 h0.5